# Altium PCB HACK_LINK_V1_new_power.PcbDoc (part 4 of 6)
Units mm, origin at the board's own origin, x right, y up, seen from the top; angles counter-clockwise.
Board outline 67.51 x 40.01 mm, 6 copper layers (L1, L2, L3, GND, POWER, L6); 277 components, 286 nets, 1682 pads, 596 vias.
Unrouted connection lines stored in the file: 4.
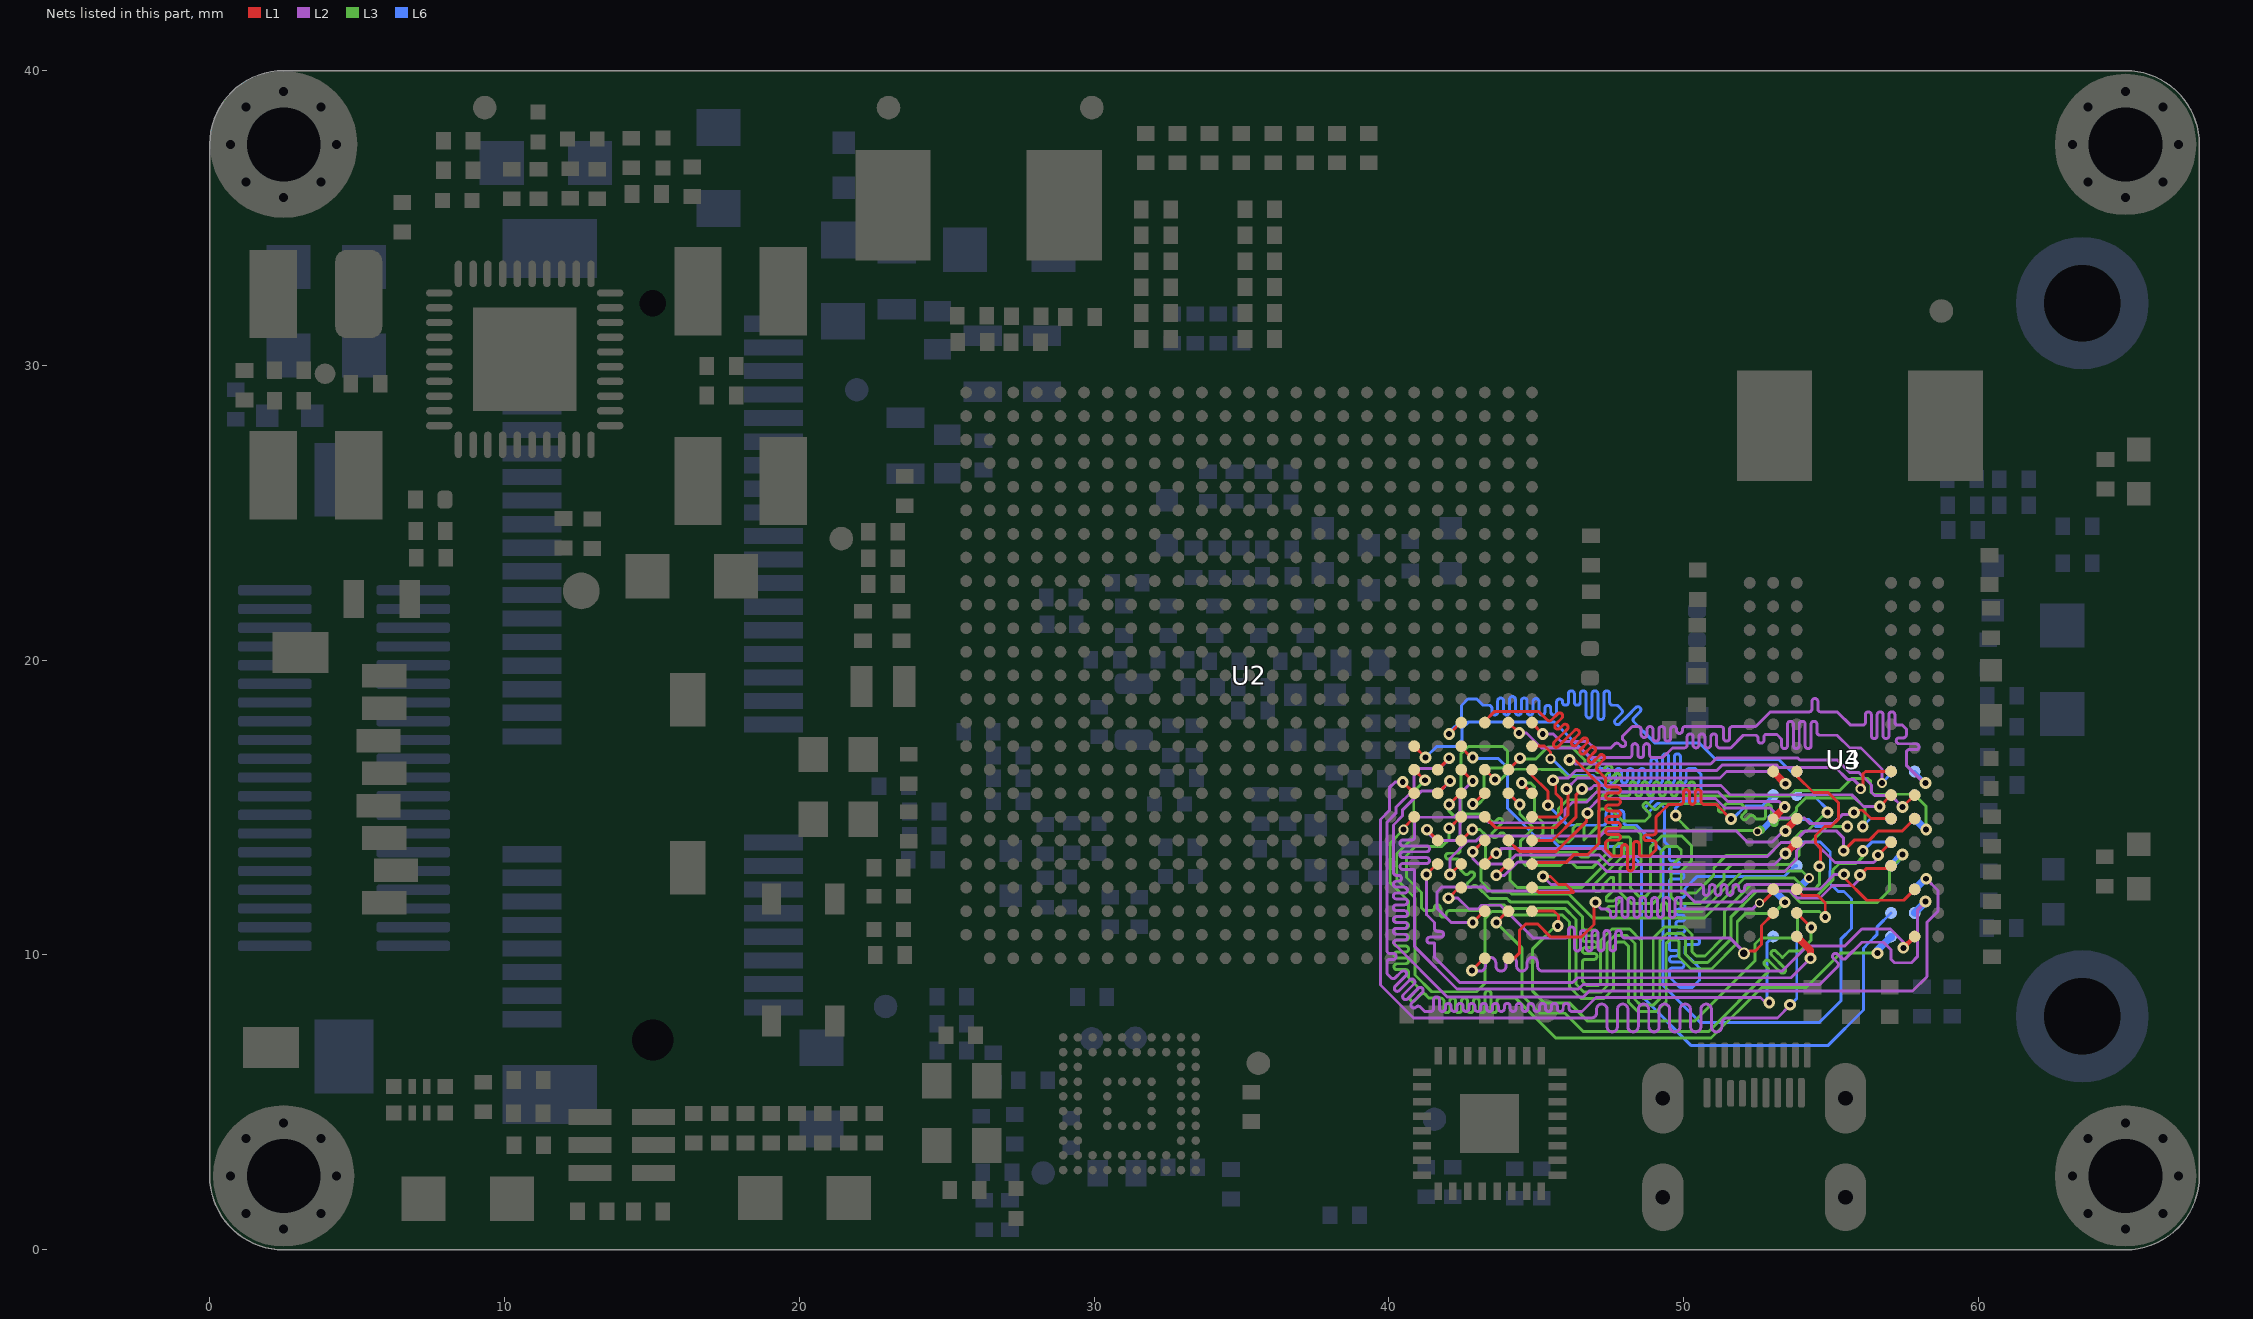
[diagram p8: the nets of this part, all layers, seen from the top]

## Via types
v1: diameter 0.4, hole 0.2, L1 to L6, tented both sides, 388 vias
v2: diameter 0.35, hole 0.2, L1 to L6, tented both sides, 45 vias
v3: diameter 0.45, hole 0.2, L1 to L6, tented both sides, 34 vias
v4: diameter 0.5, hole 0.3, L1 to L6, tented both sides, 31 vias
v5: diameter 0.8, hole 0.4, L1 to L6, 26 vias
v6: diameter 0.325, hole 0.2, L1 to L6, tented both sides, 14 vias
v7: diameter 0.6, hole 0.35, L1 to L6, 8 vias
v8: diameter 0.6, hole 0.3, L1 to L6, tented both sides, 6 vias
v9: diameter 0.45, hole 0.3, L1 to L6, tented both sides, 6 vias
v10: diameter 0.7, hole 0.4, L1 to L6, 5 vias
v11: diameter 0.7, hole 0.35, L1 to L6, 5 vias
v12: diameter 0.3, hole 0.2, L1 to L6, tented both sides, 4 vias
v13: diameter 0.7, hole 0.45, L1 to L6, tented both sides, 3 vias
v14: diameter 0.55, hole 0.3, L1 to L6, 3 vias
v15: diameter 0.5, hole 0.35, L1 to L6, 3 vias
v16: diameter 0.6, hole 0.35, L1 to L6, tented both sides, 2 vias
v17: diameter 0.7, hole 0.3, L1 to L6, 2 vias
v18: diameter 0.55, hole 0.3, L1 to L6, tented both sides, 2 vias
v19: diameter 0.4, hole 0.25, L1 to L6, tented both sides, 2 vias
v20: diameter 0.65, hole 0.335, L1 to L6, tented both sides, 1 vias
v21: diameter 0.6, hole 0.4, L1 to L6, tented both sides, 1 vias
v22: diameter 0.8, hole 0.45, L1 to L6, 1 vias
v23: diameter 0.9, hole 0.9, L1 to L6, 1 vias
v24: diameter 0.7, hole 0.7, L1 to L6, 1 vias
v25: diameter 0.4, hole 0.3, L1 to L6, tented both sides, 1 vias
v26: diameter 0.45, hole 0.25, L1 to L6, tented both sides, 1 vias

## Nets (pads, with @x,y where several pads share a name; then routed paths per layer and width w, separated by ;. In a path a pad name is that pad's centre, name@x,y a point inside that pad or via, vN(x,y) a via of type N, cw(c..) or ccw(c..) an arc to the next point about the centre after c; other vN are vias at no path point) (continued)
DRAM_D3: U2.AA5 U3.A7 | length 18.8
  L1 w0.1: v1(41.275,12.725) U2.AA5@41.65,13.1
  L1 w0.25: U3.A7@53.844,10.624 54.309,10.159 v1(54.309,9.884)
  L2 w0.1: v1(41.275,12.725) 41.275,11.375 41.346,11.304 41.487,11.163 41.55,11.1 41.55,11 41.55,10.9 ccw(c41.65,10.9) 41.65,10.8 41.758,10.8 cw(c41.758,10.7) 41.858,10.7 cw(c41.758,10.7) 41.758,10.6 41.55,10.6 41.392,10.6 ccw(c41.392,10.5) 41.292,10.5 ccw(c41.392,10.5) 41.392,10.4 41.55,10.4 41.55,9.919 42.405,9.064 46.239,9.064 46.4,9.225 53.65,9.225 v1(54.309,9.884)
DRAM_D4: U2.AC1 U3.A2 | length 18.8
  L1 w0.1: v1@42.75,9.4 U2.AC1@43.25,9.9
  L1 w0.15: v1(57.46,10.24) U3.A2@57.844,10.624
  L2 w0.1: v1@42.825,9.45 43.1,9.45 ccw(c43.1,9.627) 43.277,9.627 43.277,9.736 cw(c43.454,9.736) 43.454,9.913 cw(c43.454,9.736) 43.631,9.736 43.631,9.627 ccw(c43.808,9.627) 43.808,9.45 ccw(c43.808,9.627) 43.985,9.627 43.985,9.736 cw(c44.162,9.736) 44.162,9.913 cw(c44.162,9.736) 44.339,9.736 44.339,9.627 ccw(c44.516,9.627) 44.516,9.45 ccw(c44.516,9.627) 44.693,9.627 44.693,9.736 cw(c44.87,9.736) 44.87,9.913 cw(c44.87,9.736) 45.047,9.736 45.047,9.627 ccw(c45.224,9.627) 45.224,9.45 53.352,9.45 54.202,10.3 55.475,10.3 56.05,10.875 57.025,10.875 57.46,10.44 v1(57.46,10.24) v1@57.49,10.24
  other v1: 42.825,9.475
DRAM_D5: U2.AD1 U3.C8 | length 18.5
  L1 w0.1: U2.AD1@44.06,9.884 44.26,9.884 44.43,10.054 44.43,10.829 44.655,11.054 45.046,11.054 45.5,10.6 46.525,10.6 46.96,11.035 v1@46.96,11.809 ; v12@52.635,11.734 53.044,12.143 U3.C8@53.044,12.224
  L2 w0.1: v1@46.96,11.809 47.219,11.55 47.419,11.55 cw(c47.419,11.45) 47.519,11.45 47.519,11.372 ccw(c47.619,11.372) 47.619,11.272 ccw(c47.619,11.372) 47.719,11.372 47.719,11.847 cw(c47.819,11.847) 47.819,11.947 cw(c47.819,11.847) 47.919,11.847 47.919,11.372 ccw(c48.019,11.372) 48.019,11.272 ccw(c48.019,11.372) 48.119,11.372 48.119,11.847 cw(c48.219,11.847) 48.219,11.947 cw(c48.219,11.847) 48.319,11.847 48.319,11.372 ccw(c48.419,11.372) 48.419,11.272 ccw(c48.419,11.372) 48.519,11.372 48.519,11.847 cw(c48.619,11.847) 48.619,11.947 cw(c48.619,11.847) 48.719,11.847 48.719,11.372 ccw(c48.819,11.372) 48.819,11.272 ccw(c48.819,11.372) 48.919,11.372 48.919,11.847 cw(c49.019,11.847) 49.019,11.947 cw(c49.019,11.847) 49.119,11.847 49.119,11.372 ccw(c49.219,11.372) 49.219,11.272 ccw(c49.219,11.372) 49.319,11.372 49.319,11.847 cw(c49.419,11.847) 49.419,11.947 cw(c49.419,11.847) 49.519,11.847 49.519,11.372 ccw(c49.619,11.372) 49.619,11.272 ccw(c49.619,11.372) 49.719,11.372 49.719,11.847 cw(c49.819,11.847) 49.819,11.947 cw(c49.819,11.847) 49.919,11.847 49.919,11.65 ccw(c50.019,11.65) 50.019,11.55 52.336,11.55 52.595,11.809 v12@52.635,11.809
  other v1: 47.01,11.784
  other v12: 52.585,11.759
DRAM_D6: U2.AB4 U3.B8 | length 18.8
  L1 w0.1: v1(42.025,11.925) 42.4,12.3 U2.AB4@42.45,12.3 ; v19@52.225,10.125 52.425,10.125 52.65,10.35 52.65,11 53.044,11.394 U3.B8@53.044,11.424
  L2 w0.1: v1(42.025,11.925) 42.352,11.925 42.722,11.555 43.028,11.555 43.157,11.684 43.791,11.684 44.896,10.579 45.6,10.579 45.7,10.579 45.9,10.579 46,10.579 ccw(c46,10.679) 46.1,10.679 46.1,10.847 cw(c46.2,10.847) 46.2,10.947 cw(c46.2,10.847) 46.3,10.847 46.3,10.579 46.3,10.234 ccw(c46.4,10.234) 46.4,10.134 ccw(c46.4,10.234) 46.5,10.234 46.5,10.579 46.5,10.73 cw(c46.6,10.73) 46.6,10.83 cw(c46.6,10.73) 46.7,10.73 46.7,10.579 46.7,10.234 ccw(c46.8,10.234) 46.8,10.134 ccw(c46.8,10.234) 46.9,10.234 46.9,10.579 46.9,10.73 cw(c47,10.73) 47,10.83 cw(c47,10.73) 47.1,10.73 47.1,10.579 47.1,10.234 ccw(c47.2,10.234) 47.2,10.134 ccw(c47.2,10.234) 47.3,10.234 47.3,10.579 47.3,10.73 cw(c47.4,10.73) 47.4,10.83 cw(c47.4,10.73) 47.5,10.73 47.5,10.579 47.5,10.234 ccw(c47.6,10.234) 47.6,10.134 ccw(c47.6,10.234) 47.7,10.234 47.7,10.579 47.7,10.73 cw(c47.8,10.73) 47.8,10.83 cw(c47.8,10.73) 47.9,10.73 47.9,10.679 ccw(c48,10.679) 48,10.579 48.325,10.579 51.571,10.579 52.025,10.125 v19@52.025,10
  other v19: 52.05,10.05
DRAM_D7: U2.AE4 U3.C2 | length 18.2
  L1 w0.1: U2.AE4@44.86,12.284 44.92,12.284 45.079,12.125 46.275,12.125 46.011,12.389 45.761,12.389 45.491,12.659 v1(45.235,12.659) ; v1@55.443,12.626 56.215,11.854 57.474,11.854 U3.C2@57.844,12.224
  L2 w0.1: v1(45.235,12.659) 45.505,12.389 50.575,12.389 cw(c50.575,12.289) 50.675,12.289 50.675,12.12 ccw(c50.775,12.12) 50.775,12.02 ccw(c50.775,12.12) 50.875,12.12 50.875,12.289 cw(c50.975,12.289) 50.975,12.389 cw(c50.975,12.289) 51.075,12.289 51.075,12.12 ccw(c51.175,12.12) 51.175,12.02 ccw(c51.175,12.12) 51.275,12.12 51.275,12.289 cw(c51.375,12.289) 51.375,12.389 cw(c51.375,12.289) 51.475,12.289 51.475,12.12 ccw(c51.575,12.12) 51.575,12.02 ccw(c51.575,12.12) 51.675,12.12 51.675,12.289 cw(c51.775,12.289) 51.775,12.389 cw(c51.775,12.289) 51.875,12.289 51.875,12.252 ccw(c51.975,12.252) 51.975,12.152 ccw(c51.975,12.252) 52.075,12.252 52.075,12.289 cw(c52.175,12.289) 52.175,12.389 53.713,12.389 53.863,12.239 54.629,12.239 55.124,12.734 v1(55.443,12.734)
DRAM_D8: U2.AD5 U3.E3 | length 15.4
  L1 w0.1: v1(43.65,12.7) U2.AD5@44.05,13.1 ; v1(56.604,13.384) U3.E3@57.044,13.824
  L2 w0.1: v1(43.65,12.7) 43.926,12.7 44.38,13.154 47.072,13.154 47.397,12.829 53.43,12.829 53.835,13.234 53.835,13.538 54.132,13.835 54.438,13.835 55.139,13.134 56.454,13.134 v1@56.604,13.284
DRAM_D9: U2.AE5 U3.G2 | length 18.8
  L1 w0.1: U2.AE5@44.96,13.084 U2.AE5@44.86,13.084 44.905,13.129 46.004,13.129 46.275,13.4 46.744,13.4 47.132,13.789 47.132,15.793 46.316,16.609 v1(46.135,16.609) ; v1(57.435,15.015) U3.G2@57.844,15.424
  L2 w0.1: v1@46.185,16.634 46.345,16.474 50.924,16.474 51.129,16.679 53.877,16.679 53.947,16.609 55.221,16.609 55.646,16.184 55.958,16.184 56.38,15.762 56.38,15.514 56.479,15.415 57.035,15.415 v1(57.435,15.015)
DRAM_D10: U2.AA6 U3.F8 | length 14.9
  L1 w0.1: v1(41.294,14.25) U2.AA6@41.647,13.897 ; U2.AA6@41.65,13.9 U2.AA6@41.647,13.897 ; U2.AA6@41.66,13.884 U2.AA6@41.647,13.897
  L1 w0.25: U3.F8@53.044,14.624 v1@53.41,14.99
  L2 w0.1: v1(41.294,14.25) 41.294,14.182 41.601,13.875 42.275,13.875 42.42,14.02 42.42,14.469 42.635,14.684 43.205,14.684 43.405,14.484 45.835,14.484 45.985,14.634 45.985,14.934 46.23,15.179 46.707,15.179 47.052,15.524 51.179,15.524 51.499,15.204 53.246,15.204 v1(53.435,15.015)
DRAM_D11: U2.AE7 U3.H3 | length 14.8
  L1 w0.1: U2.AE7@44.86,14.684 45.709,14.684 45.865,14.84 45.865,15.281 45.665,15.481 45.665,15.929 v1@45.66,15.934 ; v2@56.085,15.609 56.085,16.134 56.175,16.224 U3.H3@57.044,16.224
  L2 w0.1: v1@45.66,16.009 46.101,16.009 46.346,16.254 51.129,16.254 51.325,16.45 53.15,16.45 53.241,16.359 55.16,16.359 55.56,15.959 55.76,15.959 v2@56.11,15.609
  other v1: 45.577,15.926
  other v2: 56.01,15.634
DRAM_D12: U2.AB5 U3.F7 | length 13.6
  L1 w0.1: v1@42.05,12.7 U2.AB5@42.45,13.1
  L1 w0.25: v1@53.454,14.234 U3.F7@53.844,14.624
  L2 w0.1: v1(42.075,12.725) 42.075,13.274 42.671,13.87 42.969,13.87 43.138,14.039 47.176,14.039 47.346,14.209 51.785,14.209 52.16,13.834 53.01,13.834 v1@53.316,14.14 ; v1@53.407,14.209 v1(53.46,14.209)
DRAM_D13: U2.AC5 U3.F2 | length 16.5
  L1 w0.1: U2.AC5@43.25,13.1 v1@43.647,13.497 ; v1(55.435,13.534) 55.795,13.894 56.3,13.894 56.615,14.209 57.429,14.209 U3.F2@57.844,14.624
  L2 w0.1: v1(55.435,13.534) 55.435,13.959 55.185,14.209 54.135,14.209 53.736,13.81 53.307,13.81 52.831,13.334 47.514,13.334 47.244,13.604 43.84,13.604 ; 43.84,13.604 43.804,13.604 v1(43.647,13.447) 43.683,13.447 43.84,13.604
DRAM_D14: U2.AB6 U3.H7 | length 20.7
  L1 w0.1: U2.AB6@42.46,13.884 v1(42.835,14.259) ; U3.H7@53.844,16.224 53.844,16.075 54.41,15.509 54.916,15.509 55.255,15.17 55.255,14.604 55.01,14.359 54.784,14.359 54.475,14.05 54.475,13.802 54.655,13.622 54.655,13.154 v1@54.56,13.059
  L1 w0.254: U3.H7@53.795,16.224 U3.H7@53.844,16.224
  L3 w0.1: v1(42.835,14.259) 43.091,14.259 43.275,14.075 43.275,13.2 43.13,13.055 43.13,12.505 43.504,12.13 44.106,12.13 44.167,12.069 46.107,12.069 46.921,11.255 50.716,11.255 52.07,12.609 53.76,12.609 54.124,12.245 54.459,12.245 54.61,12.396 v1(54.61,13.009)
DRAM_D15: U2.AC7 U3.H8 | length 12.5
  L1 w0.1: U2.AC7@43.26,14.684 43.63,14.314 45.65,14.314 46.085,14.749 v1@46.085,15.709
  L1 w0.254: U3.H8@53.044,16.224 v1(53.459,15.809)
  L2 w0.1: v1(46.035,15.634) v1(46.035,15.634) 46.407,16.004 51.24,16.004 51.461,16.225 53.043,16.225 v1(53.459,15.809)
DRAM_D16: U2.AB7 U4.D7 | length 34.1
  L1 w0.1: v1(42.05,14.3) U2.AB7@42.45,14.7
  L3 w0.1: v1(42.05,14.3) 42.05,13.925 41.8,13.675 40.9,13.675 40.6,13.375 40.6,12.625 41.111,12.114 41.111,11.6 41.211,11.5 41.45,11.5 ccw(c41.45,11.6) 41.55,11.6 cw(c41.65,11.6) 41.65,11.7 cw(c41.65,11.6) 41.75,11.6 41.75,11.379 ccw(c41.85,11.379) 41.85,11.279 ccw(c41.85,11.379) 41.95,11.379 41.95,11.4 cw(c42.05,11.4) 42.05,11.5 43.216,11.5 43.406,11.69 43.924,11.69 44.034,11.58 45.973,11.58 46.35,11.203 46.35,9.011 46.616,8.745 47.209,8.745 47.405,8.941 47.405,10.394 47.666,10.655 48.084,10.655 48.355,10.384 48.355,8.484 48.534,8.305 48.991,8.305 49.195,8.509 49.195,10.484 49.441,10.73 49.945,10.73 50.07,10.605 50.07,10.019 50.344,9.745 50.82,9.745 51.605,10.53 51.605,11.277 52.497,12.169 53.577,12.169 53.808,11.938 53.808,11.931 53.964,11.775 54.761,11.775 56.576,11.775 56.985,12.184 56.985,12.884 57.429,13.328 v1(57.429,13.409)
  L6 w0.254: U4.D7@57.044,13.024 v1(57.429,13.409)
DRAM_D17: U2.AA8 U4.C8 | length 34.9
  L1 w0.1: U2.AA8@41.66,15.484 v1(42.075,15.899)
  L2 w0.1: v1(42.075,15.899) 41.731,15.555 41.105,15.555 40.46,14.91 40.46,14.714 40.157,14.411 40.157,12.8 ccw(c40.257,12.8) 40.257,12.7 40.33,12.7 cw(c40.33,12.6) 40.43,12.6 cw(c40.33,12.6) 40.33,12.5 40.257,12.5 ccw(c40.257,12.4) 40.157,12.4 ccw(c40.257,12.4) 40.257,12.3 40.535,12.3 cw(c40.535,12.2) 40.635,12.2 cw(c40.535,12.2) 40.535,12.1 40.257,12.1 ccw(c40.257,12) 40.157,12 ccw(c40.257,12) 40.257,11.9 40.535,11.9 cw(c40.535,11.8) 40.635,11.8 cw(c40.535,11.8) 40.535,11.7 40.257,11.7 ccw(c40.257,11.6) 40.157,11.6 ccw(c40.257,11.6) 40.257,11.5 40.535,11.5 cw(c40.535,11.4) 40.635,11.4 cw(c40.535,11.4) 40.535,11.3 40.257,11.3 ccw(c40.257,11.2) 40.157,11.2 ccw(c40.257,11.2) 40.257,11.1 40.535,11.1 cw(c40.535,11) 40.635,11 cw(c40.535,11) 40.535,10.9 40.257,10.9 ccw(c40.257,10.8) 40.157,10.8 ccw(c40.257,10.8) 40.257,10.7 40.535,10.7 cw(c40.535,10.6) 40.635,10.6 cw(c40.535,10.6) 40.535,10.5 40.257,10.5 ccw(c40.257,10.4) 40.157,10.4 41.982,8.575 46.6,8.575 46.8,8.775 57.775,8.775 58.26,9.26 58.26,11.109 58.635,11.484 58.635,12.184 v1(58.235,12.584)
  L6 w0.254: U4.C8@57.844,12.224 v1@58.235,12.615
DRAM_D18: U2.AB9 U4.B8 | length 34.2
  L1 w0.1: U2.AB9@42.45,16.3 v1(42.85,15.9)
  L2 w0.1: v1(42.85,15.9) 42.42,15.47 42.42,14.869 42.221,14.67 41.02,14.67 40.88,14.53 40.88,14 cw(c40.78,14) 40.78,13.9 40.48,13.9 ccw(c40.48,13.8) 40.38,13.8 ccw(c40.48,13.8) 40.48,13.7 41.28,13.7 cw(c41.28,13.6) 41.38,13.6 cw(c41.28,13.6) 41.28,13.5 40.48,13.5 ccw(c40.48,13.4) 40.38,13.4 ccw(c40.48,13.4) 40.48,13.3 41.28,13.3 cw(c41.28,13.2) 41.38,13.2 cw(c41.28,13.2) 41.28,13.1 40.48,13.1 ccw(c40.48,13) 40.38,13 ccw(c40.48,13) 40.48,12.9 40.83,12.9 cw(c40.83,12.85) 40.88,12.85 40.88,10.278 42.314,8.844 46.433,8.844 46.589,9 54.625,9 55.225,9.6 ccw(c55.154,9.671) 55.225,9.741 55.086,9.88 cw(c55.157,9.951) 55.086,10.022 cw(c55.157,9.951) 55.228,10.022 55.366,9.883 ccw(c55.437,9.954) 55.508,9.883 56.054,10.429 56.3,10.429 56.79,10.429 57.035,10.184 57.035,9.859 57.16,9.734 57.735,9.734 57.935,9.934 57.935,11.515 v1@58.21,11.79
  L6 w0.254: U4.B8@57.844,11.424 v1@58.21,11.79
  other v1: 58.21,11.815
DRAM_D19: U2.Y9 U4.C2 | length 34.1
  L1 w0.1: U2.Y9@40.85,16.3 v1@41.25,15.9
  L3 w0.1: v1(41.225,15.925) 40.847,15.547 40.847,13.997 40.27,13.42 40.27,12.555 40.891,11.934 40.891,9.32 41.461,8.75 42.975,8.75 43.27,9.045 43.27,11.243 43.497,11.47 43.833,11.47 43.943,11.36 45.882,11.36 46.13,11.112 46.13,8.92 46.525,8.525 47.3,8.525 47.625,8.85 47.625,10.303 47.757,10.435 47.993,10.435 48.135,10.293 48.135,8.393 48.443,8.085 49.082,8.085 49.415,8.418 49.415,10.393 49.532,10.51 49.79,10.51 49.85,10.45 49.85,9.928 50.253,9.525 50.95,9.525 51.825,10.4 51.825,11.125 52.11,11.41 53.063,11.41 v1(53.438,11.785) v1@53.347,11.785
  L6 w0.1: v1@53.413,11.835 v1@53.413,11.855
  L6 w0.25: U4.C2@53.044,12.224 v1@53.413,11.855
DRAM_D20: U2.Y7 U4.A7 | length 34.2
  L1 w0.1: v2(40.502,14.251) 40.499,14.251 40.475,14.275 40.86,14.66 U2.Y7@40.86,14.684 ; U2.Y7@40.825,14.7 U2.Y7@40.85,14.7
  L2 w0.1: v2@40.499,14.251 v2(40.502,14.251)
  L3 w0.1: v2(40.502,14.251) 40.05,13.799 40.05,12.45 40.671,11.829 40.671,11.6 40.671,11.5 40.671,11.4 cw(c40.571,11.4) 40.571,11.3 40.278,11.3 ccw(c40.278,11.2) 40.178,11.2 ccw(c40.278,11.2) 40.278,11.1 40.571,11.1 cw(c40.571,11) 40.671,11 cw(c40.571,11) 40.571,10.9 40.278,10.9 ccw(c40.278,10.8) 40.178,10.8 ccw(c40.278,10.8) 40.278,10.7 40.571,10.7 cw(c40.571,10.6) 40.671,10.6 cw(c40.571,10.6) 40.571,10.5 40.278,10.5 ccw(c40.278,10.4) 40.178,10.4 ccw(c40.278,10.4) 40.278,10.3 40.571,10.3 cw(c40.571,10.2) 40.671,10.2 cw(c40.571,10.2) 40.571,10.1 40.278,10.1 ccw(c40.278,10) 40.178,10 ccw(c40.278,10) 40.278,9.9 40.571,9.9 cw(c40.571,9.8) 40.671,9.8 cw(c40.571,9.8) 40.571,9.7 40.278,9.7 ccw(c40.278,9.6) 40.178,9.6 ccw(c40.278,9.6) 40.278,9.5 40.571,9.5 cw(c40.571,9.4) 40.671,9.4 40.671,9.3 40.671,9.229 40.742,9.158 40.883,9.017 40.954,8.946 cw(c40.883,8.875) 40.954,8.805 40.747,8.598 ccw(c40.817,8.527) 40.747,8.456 ccw(c40.817,8.527) 40.888,8.456 41.095,8.663 cw(c41.166,8.593) 41.237,8.663 41.307,8.593 41.37,8.53 41.47,8.53 41.67,8.53 41.77,8.53 cw(c41.77,8.43) 41.87,8.43 41.87,8.137 ccw(c41.97,8.137) 41.97,8.037 ccw(c41.97,8.137) 42.07,8.137 42.07,8.43 cw(c42.17,8.43) 42.17,8.53 cw(c42.17,8.43) 42.27,8.43 42.27,8.137 ccw(c42.37,8.137) 42.37,8.037 ccw(c42.37,8.137) 42.47,8.137 42.47,8.43 cw(c42.57,8.43) 42.57,8.53 cw(c42.57,8.43) 42.67,8.43 42.67,8.137 ccw(c42.77,8.137) 42.77,8.037 ccw(c42.77,8.137) 42.87,8.137 42.87,8.43 cw(c42.97,8.43) 42.97,8.53 cw(c42.97,8.43) 43.07,8.43 43.07,8.137 ccw(c43.17,8.137) 43.17,8.037 ccw(c43.17,8.137) 43.27,8.137 43.27,8.53 43.27,8.685 cw(c43.37,8.685) 43.37,8.785 cw(c43.37,8.685) 43.47,8.685 43.47,8.53 43.47,8.137 ccw(c43.57,8.137) 43.57,8.037 ccw(c43.57,8.137) 43.67,8.137 43.67,8.43 cw(c43.77,8.43) 43.77,8.53 43.95,8.53 44.308,8.53 45.662,7.176 50.938,7.176 52.662,8.9 54.175,8.9 55.2,9.925 55.334,10.059 v1(56.579,10.059)
  L6 w0.254: v1@56.579,10.159 U4.A7@57.044,10.624 U4.A7@57.044,10.593
DRAM_D21: U2.Y8 U4.A3 | length 34.2
  L1 w0.1: v1(40.475,15.869) U2.Y8@40.844,15.5 ; U2.Y8@40.825,15.5 U2.Y8@40.844,15.5 ; U2.Y8@40.85,15.5 U2.Y8@40.844,15.5 ; U2.Y8@40.86,15.484 U2.Y8@40.844,15.5
  L2 w0.1: v1@40.45,15.869 40.219,15.869 40.02,15.67 40.02,14.897 39.717,14.594 39.717,8.983 40.84,7.86 46.875,7.86 ccw(c46.875,8.037) 47.052,8.037 47.052,8.155 cw(c47.229,8.155) 47.229,8.332 cw(c47.229,8.155) 47.406,8.155 47.406,7.565 ccw(c47.583,7.565) 47.583,7.388 ccw(c47.583,7.565) 47.76,7.565 47.76,8.155 cw(c47.937,8.155) 47.937,8.332 cw(c47.937,8.155) 48.114,8.155 48.114,7.565 ccw(c48.291,7.565) 48.291,7.388 ccw(c48.291,7.565) 48.468,7.565 48.468,8.155 cw(c48.645,8.155) 48.645,8.332 cw(c48.645,8.155) 48.822,8.155 48.822,7.565 ccw(c48.999,7.565) 48.999,7.388 ccw(c48.999,7.565) 49.176,7.565 49.176,8.155 cw(c49.353,8.155) 49.353,8.332 cw(c49.353,8.155) 49.53,8.155 49.53,7.565 ccw(c49.707,7.565) 49.707,7.388 ccw(c49.707,7.565) 49.884,7.565 49.884,8.155 cw(c50.061,8.155) 50.061,8.332 cw(c50.061,8.155) 50.238,8.155 50.238,7.565 ccw(c50.415,7.565) 50.415,7.388 ccw(c50.415,7.565) 50.592,7.565 50.592,8.155 cw(c50.769,8.155) 50.769,8.332 cw(c50.769,8.155) 50.946,8.155 50.946,7.565 ccw(c51.123,7.565) 51.123,7.388 ccw(c51.123,7.565) 51.3,7.565 51.3,7.683 cw(c51.477,7.683) 51.477,7.86 53.186,7.86 v1@53.635,8.309
  L6 w0.1: v1@53.635,8.309 53.844,8.518 U4.A3@53.844,10.624
  other v1: 53.61,8.309
DRAM_D22: U2.AC8 U4.C3 | length 29.5
  L1 w0.1: v1@42.875,15.125 U2.AC8@43.25,15.5
  L3 w0.1: v1(42.85,15.125) 43.05,15.125 43.23,15.305 43.23,16.223 43.35,16.343 43.868,16.343 44.025,16.5 44.025,16.925 43.875,17.075 42.702,17.075 42.445,16.818 42.445,14.905 42.575,14.775 43.25,14.775 43.488,14.537 ccw(c43.558,14.608) 43.629,14.538 43.694,14.603 cw(c43.765,14.532) 43.836,14.603 cw(c43.765,14.532) 43.836,14.462 43.7,14.325 43.524,14.15 ccw(c43.595,14.079) 43.524,14.009 ccw(c43.595,14.079) 43.666,14.009 43.77,14.113 cw(c43.841,14.043) 43.912,14.113 44.115,13.91 44.115,12.531 44.357,12.289 46.551,12.289 47.649,13.387 47.649,13.654 47.775,13.78 47.925,13.78 47.98,13.725 47.98,13.391 46.95,12.361 46.95,12.225 47.021,12.154 47.163,12.154 47.167,12.15 47.275,12.258 47.275,12.375 47.525,12.625 47.63,12.625 47.63,12.205 47.38,11.955 47.38,11.845 47.4,11.825 47.625,11.825 47.707,11.907 47.757,11.907 47.85,11.814 47.686,11.65 47.475,11.65 47.375,11.55 47.45,11.475 49.15,11.475 ccw(c49.15,11.575) 49.25,11.575 49.25,11.672 cw(c49.35,11.672) 49.35,11.772 cw(c49.35,11.672) 49.45,11.672 49.45,11.575 ccw(c49.55,11.575) 49.55,11.475 50.625,11.475 52,12.85 54.019,12.85 v2(54.26,12.609)
  L6 w0.254: U4.C3@53.844,12.224 53.875,12.224 v2@54.185,12.534
DRAM_D23: U2.AA9 U4.A2 | length 34.3
  L1 w0.1: U2.AA9@41.66,16.284 v1@42.05,16.674
  L2 w0.1: v1@42.075,16.675 41.725,16.325 41.007,16.325 40.855,16.173 40.855,15.616 40.24,15.001 40.24,14.806 39.937,14.503 39.937,10.15 ccw(c40.037,10.15) 40.037,10.05 40.154,10.05 cw(c40.154,9.95) 40.254,9.95 cw(c40.154,9.95) 40.154,9.85 40.037,9.85 ccw(c40.037,9.75) 39.937,9.75 39.937,9.363 40.078,9.222 ccw(c40.149,9.292) 40.22,9.222 40.432,9.434 cw(c40.503,9.363) 40.573,9.434 cw(c40.503,9.363) 40.573,9.292 40.217,8.936 ccw(c40.287,8.865) 40.217,8.794 ccw(c40.287,8.865) 40.358,8.794 40.432,8.868 40.715,9.151 cw(c40.786,9.08) 40.856,9.151 cw(c40.786,9.08) 40.856,9.009 40.5,8.653 ccw(c40.57,8.582) 40.5,8.511 ccw(c40.57,8.582) 40.641,8.511 40.998,8.868 cw(c41.068,8.797) 41.139,8.868 cw(c41.068,8.797) 41.139,8.727 40.856,8.444 40.782,8.37 ccw(c40.853,8.299) 40.782,8.229 ccw(c40.853,8.299) 40.924,8.229 40.927,8.232 cw(c40.998,8.161) 41.068,8.232 41.22,8.08 41.42,8.08 ccw(c41.42,8.18) 41.52,8.18 41.52,8.48 cw(c41.62,8.48) 41.62,8.58 cw(c41.62,8.48) 41.72,8.48 41.72,8.18 ccw(c41.82,8.18) 41.82,8.08 ccw(c41.82,8.18) 41.92,8.18 41.92,8.255 cw(c42.02,8.255) 42.02,8.355 cw(c42.02,8.255) 42.12,8.255 42.12,8.18 ccw(c42.22,8.18) 42.22,8.08 ccw(c42.22,8.18) 42.32,8.18 42.32,8.255 cw(c42.42,8.255) 42.42,8.355 cw(c42.42,8.255) 42.52,8.255 42.52,8.18 ccw(c42.62,8.18) 42.62,8.08 ccw(c42.62,8.18) 42.72,8.18 42.72,8.255 cw(c42.82,8.255) 42.82,8.355 cw(c42.82,8.255) 42.92,8.255 42.92,8.18 ccw(c43.02,8.18) 43.02,8.08 ccw(c43.02,8.18) 43.12,8.18 43.12,8.255 cw(c43.22,8.255) 43.22,8.355 cw(c43.22,8.255) 43.32,8.255 43.32,8.18 ccw(c43.42,8.18) 43.42,8.08 ccw(c43.42,8.18) 43.52,8.18 43.52,8.255 cw(c43.62,8.255) 43.62,8.355 cw(c43.62,8.255) 43.72,8.255 43.72,8.18 ccw(c43.82,8.18) 43.82,8.08 ccw(c43.82,8.18) 43.92,8.18 43.92,8.255 cw(c44.02,8.255) 44.02,8.355 cw(c44.02,8.255) 44.12,8.255 44.12,8.18 ccw(c44.22,8.18) 44.22,8.08 ccw(c44.22,8.18) 44.32,8.18 44.32,8.255 cw(c44.42,8.255) 44.42,8.355 cw(c44.42,8.255) 44.52,8.255 44.52,8.18 ccw(c44.62,8.18) 44.62,8.08 ccw(c44.62,8.18) 44.72,8.18 44.72,8.255 cw(c44.82,8.255) 44.82,8.355 cw(c44.82,8.255) 44.92,8.255 44.92,8.18 ccw(c45.02,8.18) 45.02,8.08 ccw(c45.02,8.18) 45.12,8.18 45.12,8.255 cw(c45.22,8.255) 45.22,8.355 cw(c45.22,8.255) 45.32,8.255 45.32,8.18 ccw(c45.42,8.18) 45.42,8.08 ccw(c45.42,8.18) 45.52,8.18 45.52,8.255 cw(c45.62,8.255) 45.62,8.355 cw(c45.62,8.255) 45.72,8.255 45.72,8.18 ccw(c45.82,8.18) 45.82,8.08 ccw(c45.82,8.18) 45.92,8.18 45.92,8.255 cw(c46.02,8.255) 46.02,8.355 cw(c46.02,8.255) 46.12,8.255 46.12,8.18 ccw(c46.22,8.18) 46.22,8.08 46.555,8.08 47.03,8.555 52.614,8.555 v1@52.835,8.334